# Altium PCB 智能马桶综合检测台V1.0.PcbDoc (part 5 of 10)
Units mil, origin at the board's own origin, x right, y up, seen from the top; angles counter-clockwise.
Board outline 8070.87 x 6102.36 mil, 2 copper layers (Top Layer, Bottom Layer); 199 components, 169 nets, 738 pads, 77 vias.
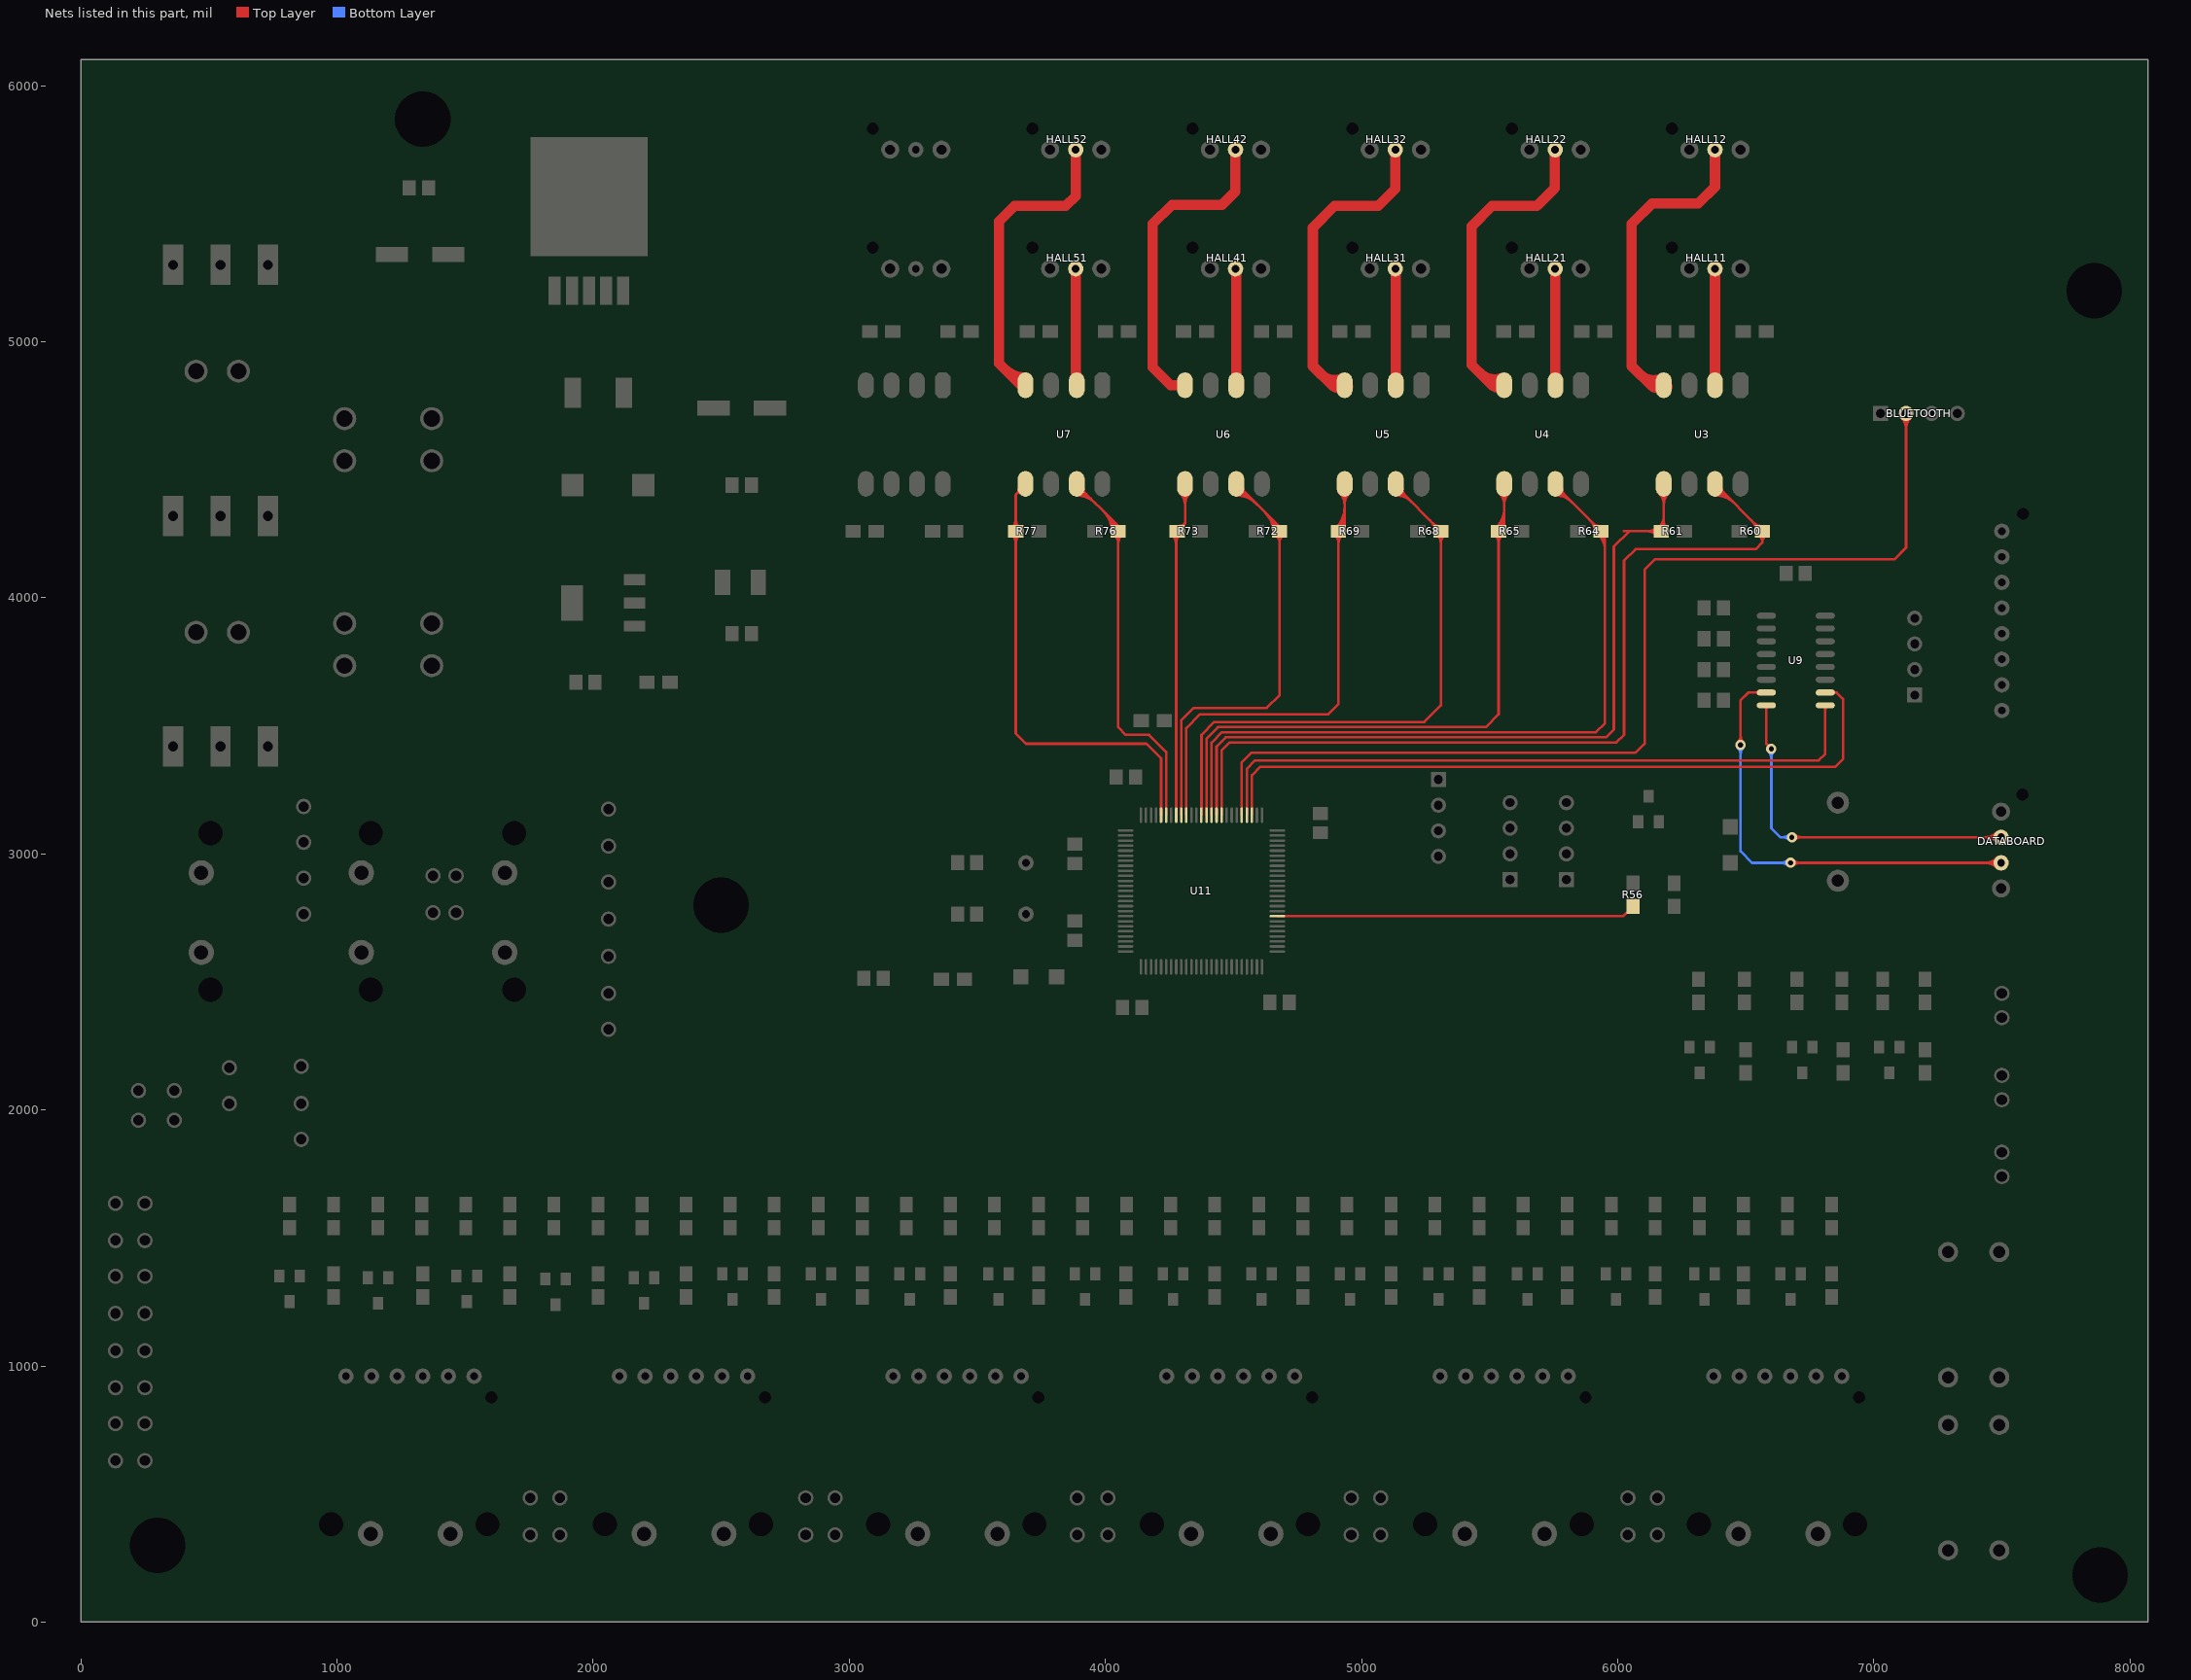
[diagram p5: the nets of this part, all layers, seen from the top]

## Via types
v1: diameter 40, hole 20, Top Layer to Bottom Layer, 68 vias
v2: diameter 50, hole 25, Top Layer to Bottom Layer, 9 vias

## Nets (pads, with @x,y where several pads share a name; then routed paths per layer and width w, separated by ;. In a path a pad name is that pad's centre, name@x,y a point inside that pad or via, vN(x,y) a via of type N, cw(c..) or ccw(c..) an arc to the next point about the centre after c; other vN are vias at no path point) (continued)
BT_TX: BLUETOOTH.2 U11.80 | length 4661.8
  Top Layer w10: U11.80@4532.48,3151.26 4532.48,3357.48 4570,3395 6070,3395 6105,3430 6105,4110 6145,4150 7080,4150 7126,4196 BLUETOOTH.2@7126,4720 ; BLUETOOTH.2@7108.66,4702.66 cw(c7066.79,4660.79) 7126,4660.79 ; BLUETOOTH.2@7108.66,4702.66 cw(c7066.79,4660.79) 7126,4660.79 ; BLUETOOTH.2@7108.66,4702.66 cw(c7066.79,4660.79) 7126,4660.79 ; BLUETOOTH.2@7108.66,4702.66 cw(c7066.79,4660.79) 7126,4660.79 ; BLUETOOTH.2@7115.73,4709.73 cw(c7090.93,4684.93) 7126,4684.93 ; BLUETOOTH.2@7115.73,4709.73 cw(c7090.93,4684.93) 7126,4684.93 ; BLUETOOTH.2@7115.73,4709.73 cw(c7090.93,4684.93) 7126,4684.93 ; BLUETOOTH.2@7115.73,4709.73 cw(c7090.93,4684.93) 7126,4684.93 ; 7126,4660.79 cw(c7185.21,4660.79) BLUETOOTH.2@7143.34,4702.66 ; 7126,4660.79 cw(c7185.21,4660.79) BLUETOOTH.2@7143.34,4702.66 ; 7126,4660.79 cw(c7185.21,4660.79) BLUETOOTH.2@7143.34,4702.66 ; 7126,4660.79 cw(c7185.21,4660.79) BLUETOOTH.2@7143.34,4702.66 ; 7126,4684.93 cw(c7161.07,4684.93) BLUETOOTH.2@7136.27,4709.73 ; 7126,4684.93 cw(c7161.07,4684.93) BLUETOOTH.2@7136.27,4709.73 ; 7126,4684.93 cw(c7161.07,4684.93) BLUETOOTH.2@7136.27,4709.73 ; 7126,4684.93 cw(c7161.07,4684.93) BLUETOOTH.2@7136.27,4709.73
BUZZ_OUT: R56.1 U11.58 | length 1404.7
  Top Layer w10: U11.58@4671.26,2756.57 6021.57,2756.57 R56.1@6060,2795
DATABOARD_232RX: DATABOARD.3 U9.7 | length 4188.9
  Top Layer w10: v1(6480,3425) 6480,3600 6510,3630 U9.7@6600.51,3630 ; v1(6675,2965) DATABOARD.3@7497,2965 ; v1@6469.39,3435.61 ccw(c6443.79,3461.21) 6480,3461.21 ; v1@6469.39,3435.61 ccw(c6443.79,3461.21) 6480,3461.21 ; v1@6469.39,3435.61 ccw(c6443.79,3461.21) 6480,3461.21 ; v1@6469.39,3435.61 ccw(c6443.79,3461.21) 6480,3461.21 ; v1@6469.39,3435.61 ccw(c6443.79,3461.21) 6480,3461.21 ; v1@6469.39,3435.61 ccw(c6443.79,3461.21) 6480,3461.21 ; 6480,3461.21 ccw(c6516.21,3461.21) v1@6490.61,3435.61 ; 6480,3461.21 ccw(c6516.21,3461.21) v1@6490.61,3435.61 ; 6480,3461.21 ccw(c6516.21,3461.21) v1@6490.61,3435.61 ; 6480,3461.21 ccw(c6516.21,3461.21) v1@6490.61,3435.61 ; 6480,3461.21 ccw(c6516.21,3461.21) v1@6490.61,3435.61 ; 6480,3461.21 ccw(c6516.21,3461.21) v1@6490.61,3435.61 ; 6538.6,3630 cw(c6538.6,3613.56) 6550.22,3625.18 ccw(c6538.6,3613.56) 6538.6,3630 ; 6538.6,3630 ccw(c6538.6,3646.44) 6550.22,3634.82 cw(c6538.6,3646.44) 6538.6,3630 ; U9.7@6552.57,3630 cw(c6552.57,3613.56) U9.7@6564.2,3625.18 ; U9.7@6552.57,3630 ccw(c6552.57,3646.44) U9.7@6564.2,3634.82 ; U9.7@6552.57,3630 cw(c6552.57,3613.56) U9.7@6564.2,3625.18 ; U9.7@6552.57,3630 ccw(c6552.57,3646.44) U9.7@6564.2,3634.82 ; U9.7@6552.57,3630 cw(c6552.57,3613.56) U9.7@6564.2,3625.18 ; U9.7@6552.57,3630 ccw(c6552.57,3646.44) U9.7@6564.2,3634.82 ; U9.7@6552.57,3630 cw(c6552.57,3613.56) U9.7@6564.2,3625.18 ; U9.7@6552.57,3630 ccw(c6552.57,3646.44) U9.7@6564.2,3634.82 ; v1@6685.61,2954.39 cw(c6711.21,2928.79) 6711.21,2965 ; v1@6685.61,2954.39 cw(c6711.21,2928.79) 6711.21,2965 ; v1@6685.61,2954.39 cw(c6711.21,2928.79) 6711.21,2965 ; v1@6685.61,2954.39 cw(c6711.21,2928.79) 6711.21,2965 ; v1@6685.61,2954.39 cw(c6711.21,2928.79) 6711.21,2965 ; v1@6685.61,2954.39 cw(c6711.21,2928.79) 6711.21,2965 ; v1@6685.61,2975.61 ccw(c6711.21,3001.21) 6711.21,2965 ; v1@6685.61,2975.61 ccw(c6711.21,3001.21) 6711.21,2965 ; v1@6685.61,2975.61 ccw(c6711.21,3001.21) 6711.21,2965 ; v1@6685.61,2975.61 ccw(c6711.21,3001.21) 6711.21,2965 ; v1@6685.61,2975.61 ccw(c6711.21,3001.21) 6711.21,2965 ; v1@6685.61,2975.61 ccw(c6711.21,3001.21) 6711.21,2965 ; 7436.64,2965 cw(c7436.64,2904.64) DATABOARD.3@7479.32,2947.32 ; 7436.64,2965 ccw(c7436.64,3025.36) DATABOARD.3@7479.32,2982.68 ; 7436.64,2965 cw(c7436.64,2904.64) DATABOARD.3@7479.32,2947.32 ; 7436.64,2965 ccw(c7436.64,3025.36) DATABOARD.3@7479.32,2982.68 ; 7436.64,2965 cw(c7436.64,2904.64) DATABOARD.3@7479.32,2947.32 ; 7436.64,2965 ccw(c7436.64,3025.36) DATABOARD.3@7479.32,2982.68 ; 7436.64,2965 cw(c7436.64,2904.64) DATABOARD.3@7479.32,2947.32 ; 7436.64,2965 ccw(c7436.64,3025.36) DATABOARD.3@7479.32,2982.68 ; 7436.64,2965 cw(c7436.64,2904.64) DATABOARD.3@7479.32,2947.32 ; 7436.64,2965 ccw(c7436.64,3025.36) DATABOARD.3@7479.32,2982.68 ; 7436.64,2965 ccw(c7436.64,3025.36) DATABOARD.3@7479.32,2982.68 ; 7436.64,2965 cw(c7436.64,2904.64) DATABOARD.3@7479.32,2947.32 ; 7460.79,2965 cw(c7460.79,2928.79) DATABOARD.3@7486.39,2954.39 ; 7460.79,2965 ccw(c7460.79,3001.21) DATABOARD.3@7486.39,2975.61 ; 7460.79,2965 cw(c7460.79,2928.79) DATABOARD.3@7486.39,2954.39 ; 7460.79,2965 ccw(c7460.79,3001.21) DATABOARD.3@7486.39,2975.61 ; 7460.79,2965 cw(c7460.79,2928.79) DATABOARD.3@7486.39,2954.39 ; 7460.79,2965 ccw(c7460.79,3001.21) DATABOARD.3@7486.39,2975.61 ; 7460.79,2965 cw(c7460.79,2928.79) DATABOARD.3@7486.39,2954.39 ; 7460.79,2965 ccw(c7460.79,3001.21) DATABOARD.3@7486.39,2975.61 ; 7460.79,2965 cw(c7460.79,2928.79) DATABOARD.3@7486.39,2954.39 ; 7460.79,2965 ccw(c7460.79,3001.21) DATABOARD.3@7486.39,2975.61 ; 7460.79,2965 ccw(c7460.79,3001.21) DATABOARD.3@7486.39,2975.61 ; 7460.79,2965 cw(c7460.79,2928.79) DATABOARD.3@7486.39,2954.39
  Bottom Layer w10: v1(6480,3425) 6480,3010 6525,2965 v1(6675,2965) ; v1@6469.39,3414.39 cw(c6443.79,3388.79) 6480,3388.79 ; v1@6469.39,3414.39 cw(c6443.79,3388.79) 6480,3388.79 ; v1@6469.39,3414.39 cw(c6443.79,3388.79) 6480,3388.79 ; v1@6469.39,3414.39 cw(c6443.79,3388.79) 6480,3388.79 ; v1@6469.39,3414.39 cw(c6443.79,3388.79) 6480,3388.79 ; v1@6469.39,3414.39 cw(c6443.79,3388.79) 6480,3388.79 ; 6480,3388.79 cw(c6516.21,3388.79) v1@6490.61,3414.39 ; 6480,3388.79 cw(c6516.21,3388.79) v1@6490.61,3414.39 ; 6480,3388.79 cw(c6516.21,3388.79) v1@6490.61,3414.39 ; 6480,3388.79 cw(c6516.21,3388.79) v1@6490.61,3414.39 ; 6480,3388.79 cw(c6516.21,3388.79) v1@6490.61,3414.39 ; 6480,3388.79 cw(c6516.21,3388.79) v1@6490.61,3414.39 ; 6638.79,2965 cw(c6638.79,2928.79) v1@6664.39,2954.39 ; 6638.79,2965 ccw(c6638.79,3001.21) v1@6664.39,2975.61 ; 6638.79,2965 cw(c6638.79,2928.79) v1@6664.39,2954.39 ; 6638.79,2965 ccw(c6638.79,3001.21) v1@6664.39,2975.61 ; 6638.79,2965 cw(c6638.79,2928.79) v1@6664.39,2954.39 ; 6638.79,2965 ccw(c6638.79,3001.21) v1@6664.39,2975.61 ; 6638.79,2965 cw(c6638.79,2928.79) v1@6664.39,2954.39 ; 6638.79,2965 ccw(c6638.79,3001.21) v1@6664.39,2975.61 ; 6638.79,2965 cw(c6638.79,2928.79) v1@6664.39,2954.39 ; 6638.79,2965 ccw(c6638.79,3001.21) v1@6664.39,2975.61 ; 6638.79,2965 ccw(c6638.79,3001.21) v1@6664.39,2975.61 ; 6638.79,2965 cw(c6638.79,2928.79) v1@6664.39,2954.39
DATABOARD_232TX: DATABOARD.2 U9.8 | length 3385.2
  Top Layer w10: U9.8@6580.63,3580 6580.63,3429.37 v1(6600,3410) ; v1(6680,3065) DATABOARD.2@7497,3065 ; 6580.63,3563.56 cw(c6597.07,3563.56) 6585.45,3575.18 ccw(c6597.07,3563.56) 6580.63,3563.56 ; 6580.63,3563.56 ccw(c6564.19,3563.56) 6575.81,3575.18 cw(c6564.19,3563.56) 6580.63,3563.56 ; v1@6690.61,3054.39 cw(c6716.21,3028.79) 6716.21,3065 ; v1@6690.61,3054.39 cw(c6716.21,3028.79) 6716.21,3065 ; v1@6690.61,3054.39 cw(c6716.21,3028.79) 6716.21,3065 ; v1@6690.61,3054.39 cw(c6716.21,3028.79) 6716.21,3065 ; v1@6690.61,3054.39 cw(c6716.21,3028.79) 6716.21,3065 ; v1@6690.61,3054.39 cw(c6716.21,3028.79) 6716.21,3065 ; v1@6690.61,3075.61 ccw(c6716.21,3101.21) 6716.21,3065 ; v1@6690.61,3075.61 ccw(c6716.21,3101.21) 6716.21,3065 ; v1@6690.61,3075.61 ccw(c6716.21,3101.21) 6716.21,3065 ; v1@6690.61,3075.61 ccw(c6716.21,3101.21) 6716.21,3065 ; v1@6690.61,3075.61 ccw(c6716.21,3101.21) 6716.21,3065 ; v1@6690.61,3075.61 ccw(c6716.21,3101.21) 6716.21,3065 ; 7436.64,3065 cw(c7436.64,3004.64) DATABOARD.2@7479.32,3047.32 ; 7436.64,3065 ccw(c7436.64,3125.36) DATABOARD.2@7479.32,3082.68 ; 7436.64,3065 cw(c7436.64,3004.64) DATABOARD.2@7479.32,3047.32 ; 7436.64,3065 ccw(c7436.64,3125.36) DATABOARD.2@7479.32,3082.68 ; 7436.64,3065 cw(c7436.64,3004.64) DATABOARD.2@7479.32,3047.32 ; 7436.64,3065 ccw(c7436.64,3125.36) DATABOARD.2@7479.32,3082.68 ; 7436.64,3065 cw(c7436.64,3004.64) DATABOARD.2@7479.32,3047.32 ; 7436.64,3065 ccw(c7436.64,3125.36) DATABOARD.2@7479.32,3082.68 ; 7436.64,3065 cw(c7436.64,3004.64) DATABOARD.2@7479.32,3047.32 ; 7436.64,3065 ccw(c7436.64,3125.36) DATABOARD.2@7479.32,3082.68 ; 7436.64,3065 ccw(c7436.64,3125.36) DATABOARD.2@7479.32,3082.68 ; 7436.64,3065 cw(c7436.64,3004.64) DATABOARD.2@7479.32,3047.32 ; 7460.79,3065 cw(c7460.79,3028.79) DATABOARD.2@7486.39,3054.39 ; 7460.79,3065 ccw(c7460.79,3101.21) DATABOARD.2@7486.39,3075.61 ; 7460.79,3065 cw(c7460.79,3028.79) DATABOARD.2@7486.39,3054.39 ; 7460.79,3065 ccw(c7460.79,3101.21) DATABOARD.2@7486.39,3075.61 ; 7460.79,3065 cw(c7460.79,3028.79) DATABOARD.2@7486.39,3054.39 ; 7460.79,3065 ccw(c7460.79,3101.21) DATABOARD.2@7486.39,3075.61 ; 7460.79,3065 cw(c7460.79,3028.79) DATABOARD.2@7486.39,3054.39 ; 7460.79,3065 ccw(c7460.79,3101.21) DATABOARD.2@7486.39,3075.61 ; 7460.79,3065 cw(c7460.79,3028.79) DATABOARD.2@7486.39,3054.39 ; 7460.79,3065 ccw(c7460.79,3101.21) DATABOARD.2@7486.39,3075.61 ; 7460.79,3065 ccw(c7460.79,3101.21) DATABOARD.2@7486.39,3075.61 ; 7460.79,3065 cw(c7460.79,3028.79) DATABOARD.2@7486.39,3054.39
  Bottom Layer w10: v1(6600,3410) 6600,3100 6635,3065 v1(6680,3065) ; v1@6589.39,3399.39 cw(c6563.79,3373.79) 6600,3373.79 ; v1@6589.39,3399.39 cw(c6563.79,3373.79) 6600,3373.79 ; v1@6589.39,3399.39 cw(c6563.79,3373.79) 6600,3373.79 ; v1@6589.39,3399.39 cw(c6563.79,3373.79) 6600,3373.79 ; v1@6589.39,3399.39 cw(c6563.79,3373.79) 6600,3373.79 ; v1@6589.39,3399.39 cw(c6563.79,3373.79) 6600,3373.79 ; 6600,3373.79 cw(c6636.21,3373.79) v1@6610.61,3399.39 ; 6600,3373.79 cw(c6636.21,3373.79) v1@6610.61,3399.39 ; 6600,3373.79 cw(c6636.21,3373.79) v1@6610.61,3399.39 ; 6600,3373.79 cw(c6636.21,3373.79) v1@6610.61,3399.39 ; 6600,3373.79 cw(c6636.21,3373.79) v1@6610.61,3399.39 ; 6600,3373.79 cw(c6636.21,3373.79) v1@6610.61,3399.39 ; 6643.79,3065 cw(c6643.79,3028.79) v1@6669.39,3054.39 ; 6643.79,3065 ccw(c6643.79,3101.21) v1@6669.39,3075.61 ; 6643.79,3065 cw(c6643.79,3028.79) v1@6669.39,3054.39 ; 6643.79,3065 ccw(c6643.79,3101.21) v1@6669.39,3075.61 ; 6643.79,3065 cw(c6643.79,3028.79) v1@6669.39,3054.39 ; 6643.79,3065 ccw(c6643.79,3101.21) v1@6669.39,3075.61 ; 6643.79,3065 cw(c6643.79,3028.79) v1@6669.39,3054.39 ; 6643.79,3065 ccw(c6643.79,3101.21) v1@6669.39,3075.61 ; 6643.79,3065 cw(c6643.79,3028.79) v1@6669.39,3054.39 ; 6643.79,3065 ccw(c6643.79,3101.21) v1@6669.39,3075.61 ; 6643.79,3065 ccw(c6643.79,3101.21) v1@6669.39,3075.61 ; 6643.79,3065 cw(c6643.79,3028.79) v1@6669.39,3054.39
DATABOARD_RX: U9.9 U11.79 | length 2704.6
  Top Layer w10: U11.79@4552.17,3151.26 4552.17,3332.17 4585,3365 6785,3365 6810.63,3390.63 U9.9@6810.63,3580 ; 6810.63,3563.56 cw(c6827.07,3563.56) 6815.45,3575.18 ccw(c6827.07,3563.56) 6810.63,3563.56 ; 6810.63,3563.56 ccw(c6794.19,3563.56) 6805.81,3575.18 cw(c6794.19,3563.56) 6810.63,3563.56
DATABOARD_TX: U9.10 U11.78 | length 2980.7
  Top Layer w10: U11.78@4571.85,3151.26 4571.85,3306.85 4605,3340 6850,3340 6880,3370 6880,3605 6855,3630 U9.10@6789.49,3630 ; U9.10@6825.8,3625.18 cw(c6837.43,3613.56) U9.10@6837.43,3630 ; U9.10@6825.8,3625.18 cw(c6837.43,3613.56) U9.10@6837.43,3630 ; U9.10@6825.8,3625.18 cw(c6837.43,3613.56) U9.10@6837.43,3630 ; U9.10@6825.8,3625.18 cw(c6837.43,3613.56) U9.10@6837.43,3630 ; U9.10@6825.8,3634.82 ccw(c6837.43,3646.44) U9.10@6837.43,3630 ; U9.10@6825.8,3634.82 ccw(c6837.43,3646.44) U9.10@6837.43,3630 ; U9.10@6825.8,3634.82 ccw(c6837.43,3646.44) U9.10@6837.43,3630 ; U9.10@6825.8,3634.82 ccw(c6837.43,3646.44) U9.10@6837.43,3630 ; 6852.66,3630 cw(c6852.66,3646.44) 6841.04,3634.82 ccw(c6852.66,3646.44) 6852.66,3630 ; 6852.66,3630 ccw(c6852.66,3613.56) 6841.04,3625.18 cw(c6852.66,3613.56) 6852.66,3630
HALL_11: R60.2 U3.7 U11.84 | length 5079.1
  Top Layer w10: U11.84@4453.74,3151.26 4453.74,3403.74 4485,3435 5995,3435 6025,3465 6025,4145 6070,4190 6540,4190 6565,4215 ; U3.7@6380,4445 R60.2@6565,4260 6565,4215 ; U3.7@6380,4400 cw(c6380,4291.36) 6456.82,4368.18 ; U3.7@6380,4400 cw(c6380,4291.36) 6456.82,4368.18 ; U3.7@6380,4400 cw(c6380,4291.36) 6456.82,4368.18 ; U3.7@6380,4400 cw(c6380,4291.36) 6456.82,4368.18 ; U3.7@6380,4410 cw(c6380,4325.5) 6439.75,4385.25 ; U3.7@6380,4410 cw(c6380,4325.5) 6439.75,4385.25 ; U3.7@6380,4410 cw(c6380,4325.5) 6439.75,4385.25 ; U3.7@6380,4410 cw(c6380,4325.5) 6439.75,4385.25 ; U3.7@6380,4420 cw(c6380,4359.64) 6422.68,4402.32 ; U3.7@6380,4420 cw(c6380,4359.64) 6422.68,4402.32 ; U3.7@6380,4420 cw(c6380,4359.64) 6422.68,4402.32 ; U3.7@6380,4420 cw(c6380,4359.64) 6422.68,4402.32 ; U3.7@6406,4426 ccw(c6422.9,4426) 6410.95,4414.05 ; U3.7@6406,4426 ccw(c6422.9,4426) 6410.95,4414.05 ; U3.7@6406,4426 ccw(c6422.9,4426) 6410.95,4414.05 ; U3.7@6406,4426 ccw(c6422.9,4426) 6410.95,4414.05 ; 6522.32,4302.68 cw(c6479.64,4260) R60.2@6540,4260 ; 6522.32,4302.68 cw(c6479.64,4260) R60.2@6540,4260 ; 6522.32,4302.68 cw(c6479.64,4260) R60.2@6540,4260 ; 6522.32,4302.68 cw(c6479.64,4260) R60.2@6540,4260 ; 6534.39,4290.61 ccw(c6560,4316.21) R60.2@6560,4280 ; 6534.39,4290.61 ccw(c6560,4316.21) R60.2@6560,4280 ; 6534.39,4290.61 ccw(c6560,4316.21) R60.2@6560,4280 ; 6534.39,4290.61 ccw(c6560,4316.21) R60.2@6560,4280 ; 6539.39,4285.61 cw(c6513.79,4260) R60.2@6550,4260 ; 6539.39,4285.61 cw(c6513.79,4260) R60.2@6550,4260 ; 6539.39,4285.61 cw(c6513.79,4260) R60.2@6550,4260 ; 6539.39,4285.61 cw(c6513.79,4260) R60.2@6550,4260 ; R60.2@6551.6,4245.15 cw(c6524.38,4215) 6565,4215 ; R60.2@6551.6,4245.15 cw(c6524.38,4215) 6565,4215 ; R60.2@6551.6,4245.15 cw(c6524.38,4215) 6565,4215 ; R60.2@6551.6,4245.15 cw(c6524.38,4215) 6565,4215 ; R60.2@6551.6,4245.15 cw(c6524.38,4215) 6565,4215 ; R60.2@6551.6,4245.15 cw(c6524.38,4215) 6565,4215 ; 6565,4215 cw(c6605.62,4215) R60.2@6578.4,4245.15 ; 6565,4215 cw(c6605.62,4215) R60.2@6578.4,4245.15 ; 6565,4215 cw(c6605.62,4215) R60.2@6578.4,4245.15 ; 6565,4215 cw(c6605.62,4215) R60.2@6578.4,4245.15 ; 6565,4215 cw(c6605.62,4215) R60.2@6578.4,4245.15 ; 6565,4215 cw(c6605.62,4215) R60.2@6578.4,4245.15
HALL_11_IN: HALL11.2 U3.2 | length 455
  Top Layer w40: U3.2@6380,4830 HALL11.2@6380,5285
HALL_12: R61.2 U3.5 U11.85 | length 5061.3
  Top Layer w10: U11.85@4434.06,3151.26 4434.06,3419.06 4470,3455 5955,3455 5985,3485 5985,4200 6045,4260 ; 6025,4260 R61.2@6170,4260 ; R61.2@6160,4270 R61.2@6170,4260 ; R61.2@6180,4270 U3.5@6180,4445 ; R61.2@6185,4275 R61.2@6170,4260 ; 6116.72,4260 cw(c6116.72,4211.72) R61.2@6150.86,4245.86 ; 6116.72,4260 ccw(c6116.72,4308.28) R61.2@6150.86,4274.14 ; 6116.72,4260 cw(c6116.72,4211.72) R61.2@6150.86,4245.86 ; 6116.72,4260 ccw(c6116.72,4308.28) R61.2@6150.86,4274.14 ; 6116.72,4260 cw(c6116.72,4211.72) R61.2@6150.86,4245.86 ; 6116.72,4260 ccw(c6116.72,4308.28) R61.2@6150.86,4274.14 ; 6116.72,4260 cw(c6116.72,4211.72) R61.2@6150.86,4245.86 ; 6116.72,4260 ccw(c6116.72,4308.28) R61.2@6150.86,4274.14 ; 6116.72,4260 cw(c6116.72,4211.72) R61.2@6150.86,4245.86 ; 6116.72,4260 ccw(c6116.72,4308.28) R61.2@6150.86,4274.14 ; 6116.72,4260 ccw(c6116.72,4308.28) R61.2@6150.86,4274.14 ; 6116.72,4260 cw(c6116.72,4211.72) R61.2@6150.86,4245.86 ; R61.2@6160.86,4274.14 ccw(c6114.64,4320.36) 6180,4320.36 ; R61.2@6160.86,4274.14 ccw(c6114.64,4320.36) 6180,4320.36 ; R61.2@6160.86,4274.14 ccw(c6114.64,4320.36) 6180,4320.36 ; R61.2@6160.86,4274.14 ccw(c6114.64,4320.36) 6180,4320.36 ; R61.2@6160.86,4274.14 ccw(c6114.64,4320.36) 6180,4320.36 ; R61.2@6160.86,4274.14 ccw(c6114.64,4320.36) 6180,4320.36 ; U3.5@6161.62,4407.62 cw(c6117.23,4363.23) 6180,4363.23 ; U3.5@6161.62,4407.62 cw(c6117.23,4363.23) 6180,4363.23 ; U3.5@6161.62,4407.62 cw(c6117.23,4363.23) 6180,4363.23 ; U3.5@6161.62,4407.62 cw(c6117.23,4363.23) 6180,4363.23 ; U3.5@6161.62,4407.62 cw(c6117.23,4363.23) 6180,4363.23 ; U3.5@6161.62,4407.62 cw(c6117.23,4363.23) 6180,4363.23 ; R61.2@6167.93,4267.07 ccw(c6138.79,4296.21) 6180,4296.21 ; R61.2@6167.93,4267.07 ccw(c6138.79,4296.21) 6180,4296.21 ; R61.2@6167.93,4267.07 ccw(c6138.79,4296.21) 6180,4296.21 ; R61.2@6167.93,4267.07 ccw(c6138.79,4296.21) 6180,4296.21 ; R61.2@6167.93,4267.07 ccw(c6138.79,4296.21) 6180,4296.21 ; R61.2@6167.93,4267.07 ccw(c6138.79,4296.21) 6180,4296.21 ; U3.5@6168.69,4414.69 cw(c6141.37,4387.37) 6180,4387.37 ; U3.5@6168.69,4414.69 cw(c6141.37,4387.37) 6180,4387.37 ; U3.5@6168.69,4414.69 cw(c6141.37,4387.37) 6180,4387.37 ; U3.5@6168.69,4414.69 cw(c6141.37,4387.37) 6180,4387.37 ; U3.5@6168.69,4414.69 cw(c6141.37,4387.37) 6180,4387.37 ; U3.5@6168.69,4414.69 cw(c6141.37,4387.37) 6180,4387.37 ; 6180,4296.21 ccw(c6211.21,4296.21) R61.2@6189.14,4274.14 ; 6180,4296.21 ccw(c6211.21,4296.21) R61.2@6189.14,4274.14 ; 6180,4296.21 ccw(c6211.21,4296.21) R61.2@6189.14,4274.14 ; 6180,4296.21 ccw(c6211.21,4296.21) R61.2@6189.14,4274.14 ; 6180,4296.21 ccw(c6211.21,4296.21) R61.2@6189.14,4274.14 ; 6180,4296.21 ccw(c6211.21,4296.21) R61.2@6189.14,4274.14 ; 6180,4363.23 cw(c6242.77,4363.23) U3.5@6198.38,4407.62 ; 6180,4363.23 cw(c6242.77,4363.23) U3.5@6198.38,4407.62 ; 6180,4363.23 cw(c6242.77,4363.23) U3.5@6198.38,4407.62 ; 6180,4363.23 cw(c6242.77,4363.23) U3.5@6198.38,4407.62 ; 6180,4363.23 cw(c6242.77,4363.23) U3.5@6198.38,4407.62 ; 6180,4363.23 cw(c6242.77,4363.23) U3.5@6198.38,4407.62 ; 6180,4387.37 cw(c6218.63,4387.37) U3.5@6191.31,4414.69 ; 6180,4387.37 cw(c6218.63,4387.37) U3.5@6191.31,4414.69 ; 6180,4387.37 cw(c6218.63,4387.37) U3.5@6191.31,4414.69 ; 6180,4387.37 cw(c6218.63,4387.37) U3.5@6191.31,4414.69 ; 6180,4387.37 cw(c6218.63,4387.37) U3.5@6191.31,4414.69 ; 6180,4387.37 cw(c6218.63,4387.37) U3.5@6191.31,4414.69
HALL_12_IN: HALL12.2 U3.4 | length 2231.3
  Top Layer w40: U3.4@6180,4830 6130,4830 6055,4905 6055,5460 6135,5540 6315,5540 6380,5605 HALL12.2@6380,5750 ; 6089.5,4870.5 ccw(c6139.95,4920.94) U3.4@6174.65,4858.61 ; 6089.5,4870.5 ccw(c6139.95,4920.94) U3.4@6174.65,4858.61 ; 6089.5,4870.5 ccw(c6139.95,4920.94) U3.4@6174.65,4858.61 ; 6089.5,4870.5 ccw(c6139.95,4920.94) U3.4@6174.65,4858.61 ; 6089.5,4870.5 ccw(c6139.95,4920.94) U3.4@6174.65,4858.61 ; 6089.5,4870.5 ccw(c6139.95,4920.94) U3.4@6174.65,4858.61 ; 6126.96,4833.04 ccw(c6166.74,4872.81) U3.4@6194.11,4823.66 ; 6126.96,4833.04 ccw(c6166.74,4872.81) U3.4@6194.11,4823.66 ; 6126.96,4833.04 ccw(c6166.74,4872.81) U3.4@6194.11,4823.66 ; 6126.96,4833.04 ccw(c6166.74,4872.81) U3.4@6194.11,4823.66 ; 6126.96,4833.04 ccw(c6166.74,4872.81) U3.4@6194.11,4823.66 ; 6126.96,4833.04 ccw(c6166.74,4872.81) U3.4@6194.11,4823.66
HALL_21: R64.2 U4.7 U11.86 | length 5281.5
  Top Layer w10: U11.86@4414.37,3151.26 4414.37,3434.37 4455,3475 5915,3475 5950,3510 R64.2@5950,4260 ; U4.7@5757,4445 5757,4438 R64.2@5935,4260 ; U4.7@5757,4400 cw(c5757,4308.26) 5821.87,4373.13 ; U4.7@5757,4400 cw(c5757,4308.26) 5821.87,4373.13 ; U4.7@5757,4400 cw(c5757,4308.26) 5821.87,4373.13 ; U4.7@5757,4400 cw(c5757,4308.26) 5821.87,4373.13 ; U4.7@5757,4400 cw(c5757,4308.26) 5821.87,4373.13 ; U4.7@5757,4400 cw(c5757,4308.26) 5821.87,4373.13 ; U4.7@5757,4410 cw(c5757,4342.4) 5804.8,4390.2 ; U4.7@5757,4410 cw(c5757,4342.4) 5804.8,4390.2 ; U4.7@5757,4410 cw(c5757,4342.4) 5804.8,4390.2 ; U4.7@5757,4410 cw(c5757,4342.4) 5804.8,4390.2 ; U4.7@5757,4410 cw(c5757,4342.4) 5804.8,4390.2 ; U4.7@5757,4410 cw(c5757,4342.4) 5804.8,4390.2 ; U4.7@5757,4420 cw(c5757,4376.54) 5787.73,4407.27 ; U4.7@5757,4420 cw(c5757,4376.54) 5787.73,4407.27 ; U4.7@5757,4420 cw(c5757,4376.54) 5787.73,4407.27 ; U4.7@5757,4420 cw(c5757,4376.54) 5787.73,4407.27 ; U4.7@5757,4420 cw(c5757,4376.54) 5787.73,4407.27 ; U4.7@5757,4420 cw(c5757,4376.54) 5787.73,4407.27 ; U4.7@5783,4426 ccw(c5816.8,4426) 5792.9,4402.1 ; U4.7@5783,4426 ccw(c5816.8,4426) 5792.9,4402.1 ; U4.7@5783,4426 ccw(c5816.8,4426) 5792.9,4402.1 ; U4.7@5783,4426 ccw(c5816.8,4426) 5792.9,4402.1 ; U4.7@5783,4426 ccw(c5816.8,4426) 5792.9,4402.1 ; U4.7@5783,4426 ccw(c5816.8,4426) 5792.9,4402.1 ; 5892.32,4302.68 cw(c5849.64,4260) R64.2@5910,4260 ; 5892.32,4302.68 cw(c5849.64,4260) R64.2@5910,4260 ; 5892.32,4302.68 cw(c5849.64,4260) R64.2@5910,4260 ; 5892.32,4302.68 cw(c5849.64,4260) R64.2@5910,4260 ; 5904.39,4290.61 ccw(c5930,4316.21) R64.2@5930,4280 ; 5904.39,4290.61 ccw(c5930,4316.21) R64.2@5930,4280 ; 5904.39,4290.61 ccw(c5930,4316.21) R64.2@5930,4280 ; 5904.39,4290.61 ccw(c5930,4316.21) R64.2@5930,4280 ; 5909.39,4285.61 cw(c5883.79,4260) R64.2@5920,4260 ; 5909.39,4285.61 cw(c5883.79,4260) R64.2@5920,4260 ; 5909.39,4285.61 cw(c5883.79,4260) R64.2@5920,4260 ; 5909.39,4285.61 cw(c5883.79,4260) R64.2@5920,4260 ; R64.2@5925.86,4245.86 cw(c5867.57,4187.57) 5950,4187.57 ; R64.2@5925.86,4245.86 cw(c5867.57,4187.57) 5950,4187.57 ; R64.2@5925.86,4245.86 cw(c5867.57,4187.57) 5950,4187.57 ; R64.2@5925.86,4245.86 cw(c5867.57,4187.57) 5950,4187.57 ; R64.2@5925.86,4245.86 cw(c5867.57,4187.57) 5950,4187.57 ; R64.2@5925.86,4245.86 cw(c5867.57,4187.57) 5950,4187.57 ; R64.2@5932.93,4252.93 cw(c5891.72,4211.72) 5950,4211.72 ; R64.2@5932.93,4252.93 cw(c5891.72,4211.72) 5950,4211.72 ; R64.2@5932.93,4252.93 cw(c5891.72,4211.72) 5950,4211.72 ; R64.2@5932.93,4252.93 cw(c5891.72,4211.72) 5950,4211.72 ; R64.2@5932.93,4252.93 cw(c5891.72,4211.72) 5950,4211.72 ; R64.2@5932.93,4252.93 cw(c5891.72,4211.72) 5950,4211.72 ; R64.2@5940,4260 cw(c5915.86,4235.86) R64.2@5950,4235.86 ; R64.2@5940,4260 cw(c5915.86,4235.86) R64.2@5950,4235.86 ; R64.2@5940,4260 cw(c5915.86,4235.86) R64.2@5950,4235.86 ; R64.2@5940,4260 cw(c5915.86,4235.86) R64.2@5950,4235.86 ; R64.2@5940,4260 cw(c5915.86,4235.86) R64.2@5950,4235.86 ; R64.2@5940,4260 cw(c5915.86,4235.86) R64.2@5950,4235.86 ; R64.2@5950,4235.86 cw(c5964.14,4235.86) R64.2@5954.14,4245.86 ; R64.2@5950,4235.86 cw(c5964.14,4235.86) R64.2@5954.14,4245.86 ; R64.2@5950,4235.86 cw(c5964.14,4235.86) R64.2@5954.14,4245.86 ; R64.2@5950,4235.86 cw(c5964.14,4235.86) R64.2@5954.14,4245.86 ; R64.2@5950,4235.86 cw(c5964.14,4235.86) R64.2@5954.14,4245.86 ; R64.2@5950,4235.86 cw(c5964.14,4235.86) R64.2@5954.14,4245.86